# KiCad board edc-mux-board-fpga-main.kicad_pcb (continued)
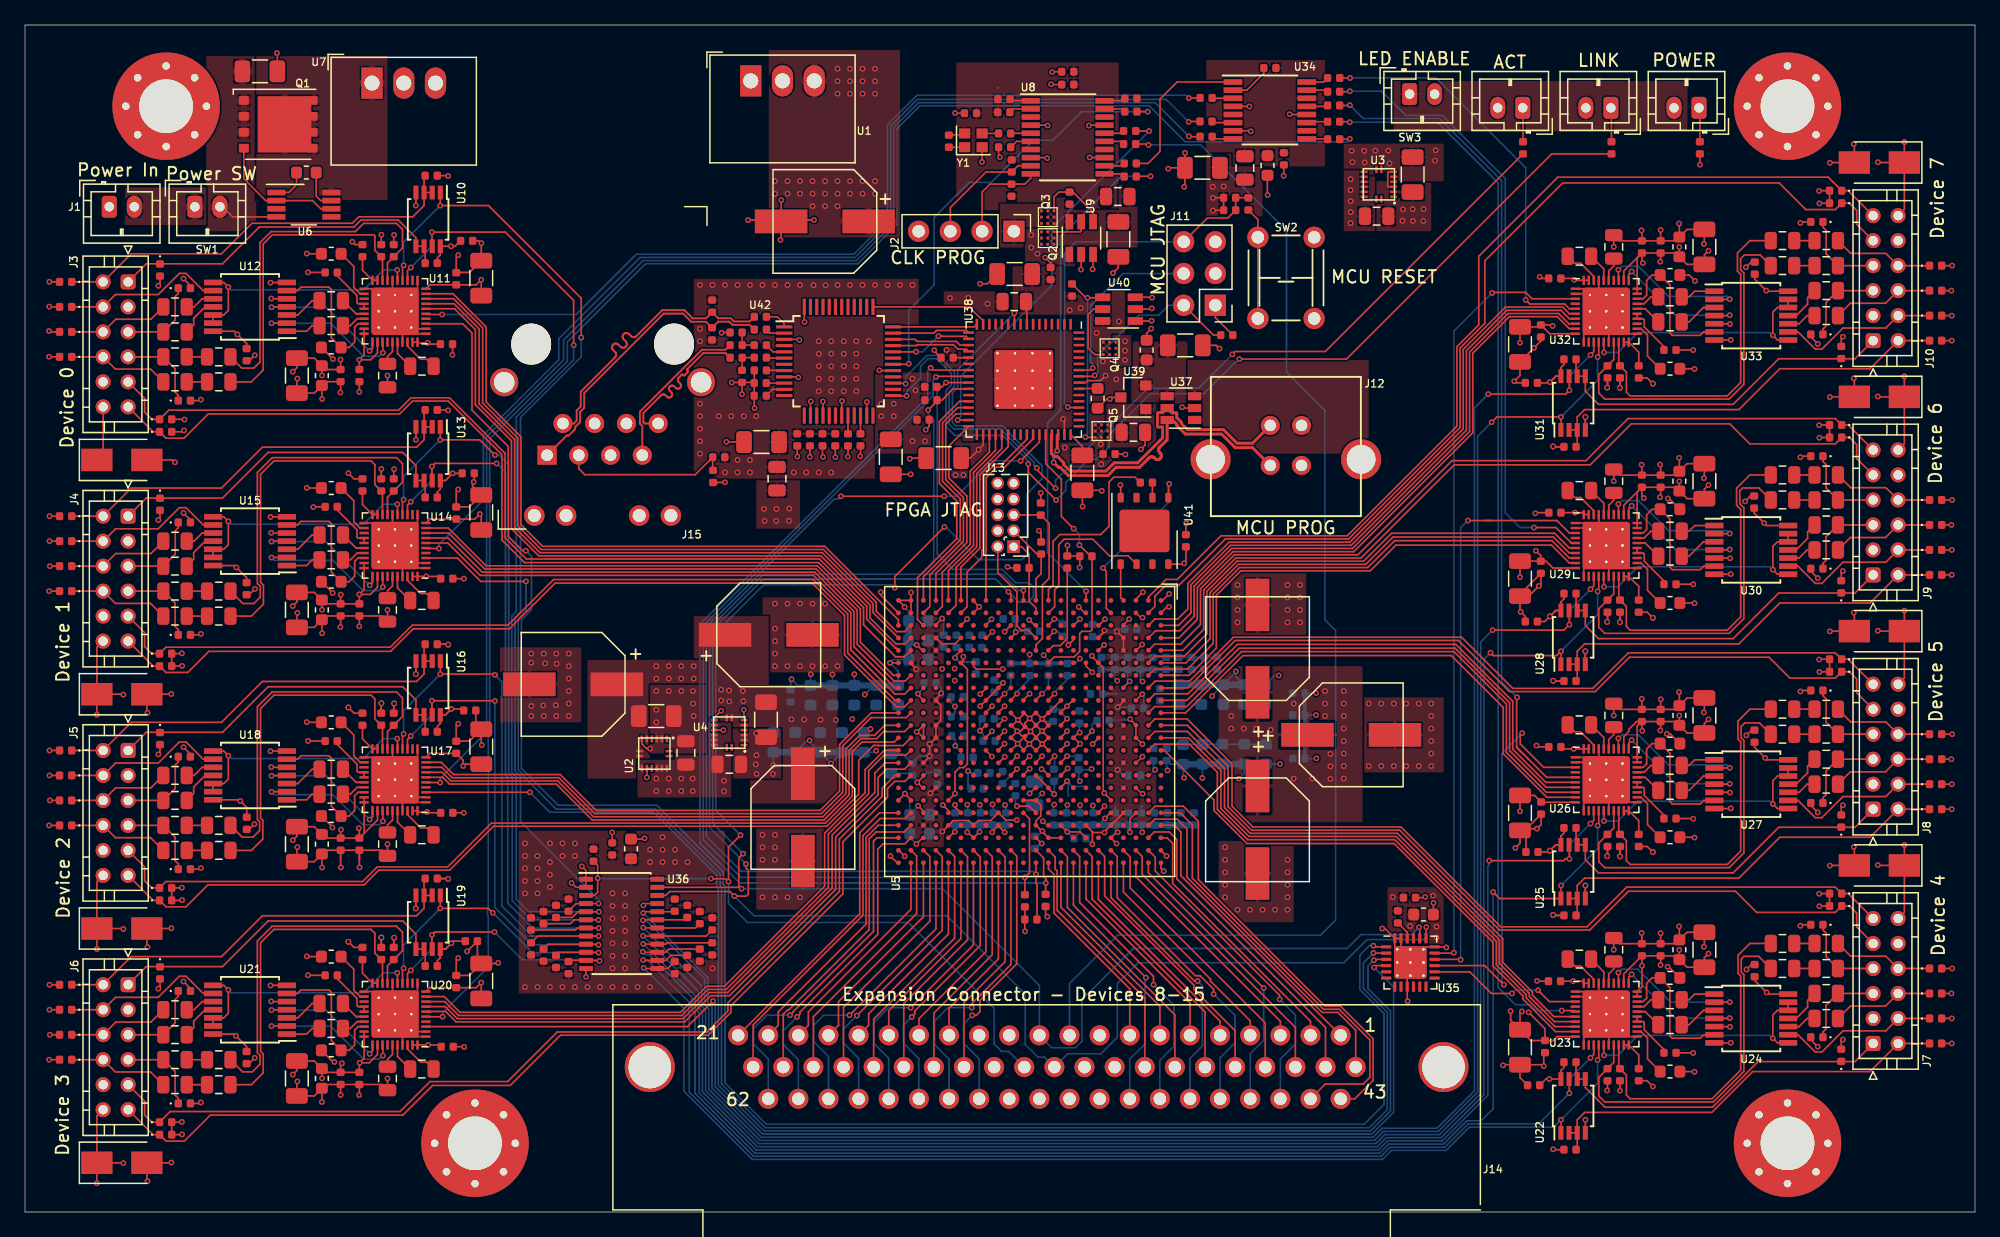
[diagram p0: board, top side]
## Routing (per net, layer and track width the routed paths; a pad name or vN(x,y) marks a point on that pad's centre or on a via; arc(x,y) is an arc through that point) (continued)
/Power Supplies/VCCDPLL: length 49.7
  Top w0.127: v1(75.07,44.44) 75.07,44.14 U5.U6 75.39,43.44 75.39,35.86 75.1,35.57 74.76,35.57 74.4,35.21 v1(74.4,33.49) 73.88,32.97 U5.V17 73.88,32.99 ; v1(85.36,44.51) 85.36,44.47 U5.F6 86.26,43.57 86.26,33.61 v1(86.35,33.52) 86.88,32.99 U5.E17
  In2.Cu w0.127: v1(85.36,44.51) 84.71,43.86 84.16,43.86 84.13,43.88 75.63,43.88 v1(75.07,44.44) ; v1(74.4,33.49) 74.86,33.95 81.2,33.95 ; v1(81.38,33.5) 81.38,33.82 81.25,33.95 81.2,33.95 ; 81.2,33.95 85.92,33.95 v1(86.35,33.52)
  Bottom w0.127: FB1.2 80.77,32.89 v1(81.38,33.5)
GND: length 853.7
  Top w0.127: U12.5 19.72,73.09 v1(19.7,73.11) ; v1(136.46,32.3) 136.45,32.29 U27.7 ; v1(144.39,27.72) 144.41,27.74 D45.2 146.35,29.17 v1(146.3,29.22) ; C251.1 132.96,59.89 C252.1 134.35,58.77 v1(134.31,58.73) ; C251.1 132.35,60.34 v1(132.33,60.36) ; C251.1 132.05,58.97 C249.1 ; U15.5 19.72,54.34 v1(19.7,54.36) ; v1(23.77,65.07) 23.75,65.09 C131.1 ; 127.6,65.97 C260.1 127.6,65.97 ; 127.6,65.97 v1(127.59,65.96) 127.6,65.97 ; v1(89.41,33.47) 89.35,33.47 U5.C16 ; U37.2 92.64,64.34 v1(92.57,64.41) ; v1(61.79,60.46) 61.78,60.47 C298.1 ; C231.1 132.96,41.14 C232.1 134.35,40.02 v1(134.31,39.98) ; C231.1 132.35,41.59 v1(132.33,41.61) ; C231.1 132.05,40.22 C229.1 ; v1(131.35,38.27) 131.61,38.27 FB32.2 ; v1(81.34,29.49) 80.88,29.95 U5.L20 ; v1(137.72,19.41) 138.12,19.81 C217.1 ; 31.28,43.06 v1(31.27,43.05) 31.28,43.06 ; 31.28,43.06 U16.4 31.28,43.06 ; v1(133.56,48.72) 133.54,48.74 C244.1 ; C200.1 127.6,9.72 v1(127.59,9.71) ; U17.11 31.4,36.39 U17.41 ; C297.1 64.82,60.42 v1(64.83,60.41) ; D62.2 v1(154.11,54.99) ; U2.11 U2.10 49.75,34.79 v1(49.74,34.78) ; U10.4 31.28,80.56 v1(31.27,80.55) ; 119.9,11.79 118.3,11.79 ; U23.41 128.3,14.04 U23.21 ; U23.41 124.95,17.39 124.81,17.24 U23.2 ; U23.41 126.7,15.64 126.7,13.36 ; U23.41 125.9,16.44 U23.37 ; U23.41 124.7,14.04 124.7,13.36 ; U23.41 124.7,17.64 U23.1 ; v1(80.45,38.46) 80.06,38.07 U5.M12 ; v1(80.45,38.46) 80.88,38.03 U5.L12 ; v1(80.45,38.46) 80.45,38.53 U5.L11 ; v1(80.45,38.46) 80.08,38.83 U5.M11 ; v1(18.38,68.57) 17.94,68.13 C137.1 ; 86.74,65.01 v1(86.79,65.06) ; v1(86.79,65.06) 86.54,65.06 C292.2 ; v1(86.79,65.06) 86.93,65.2 U39.3 ; v1(146.3,47.97) 146.35,47.92 D55.2 144.41,46.49 v1(144.39,46.47) ; v1(12.68,74.7) 13.23,74.15 D8.2 ; C198.1 126.6,9.76 v1(126.57,9.73) ; v1(63.85,60.43) 63.8,60.48 C301.1 ; v1(12.68,55.95) 13.23,55.39 D18.2 ; v1(129.33,59.81) 129.35,59.79 C255.1 ; U29.41 125.9,53.94 U29.37 ; U29.41 124.7,51.54 124.7,50.86 ; U29.41 124.7,55.14 U29.1 ; U29.41 124.95,54.89 124.81,54.74 U29.2 ; U29.41 128.3,51.54 U29.21 ; U29.41 126.7,53.14 126.7,50.86 ; U32.41 126.7,71.89 U32.16 ; U32.41 124.95,73.64 124.81,73.49 U32.2 ; U32.41 128.3,70.29 U32.21 ; U32.41 125.9,72.69 125.9,74.56 ; U32.41 124.7,70.29 U32.11 ; U32.41 124.7,73.89 U32.1 ; 60.49,79.4 57.86,79.4 v1(57.84,79.38) ; 60.49,79.4 v1(63.12,79.4) ; 60.49,79.4 60.49,77.85 v1(60.44,77.8) ; 60.49,79.4 60.49,80.98 v1(60.5,80.99) ; FB7.2 24.64,68.26 v1(24.64,68.26) ; C223.1 133.45,31.49 v1(133.46,31.48) ; v1(79.43,39.38) 79,38.95 U5.N11 78.91,38.95 v1(79.38,38.48) ; v1(79.43,39.38) 78.88,39.94 U5.N10 ; v1(79.43,39.38) 79.88,39.83 U5.M10 79.92,39.95 v1(80.37,39.5) ; v1(79.43,39.38) 79.98,38.83 U5.M11 ; 75.16,87.94 74.42,87.94 v1(74.41,87.95) ; U5.L11 80.88,39 v1(80.37,39.5) ; U5.L11 80.88,38.95 v1(81.38,39.46) ; U5.L11 81.34,38.49 v1(81.36,38.49) ; C275.1 C269.1 ; C275.1 129.35,78.53 v1(129.32,78.56) ; C275.1 127.55,77.72 C266.1 v1(127.1,77.24) ; 124.82,63.62 v1(124.83,63.63) 124.82,63.62 ; 124.82,63.62 U31.4 124.82,63.62 ; U5.Y15 71.88,34.88 v1(71.38,34.38) 71.81,33.95 U5.Y16 ; v1(136.4,52.32) 136.38,52.34 U30.5 ; v1(79.38,38.48) 78.88,37.97 U5.N12 78.94,37.95 v1(79.41,37.48) ; v1(79.38,38.48) 79.79,38.07 U5.M12 ; v1(79.38,38.48) 79.65,38.48 U5.M11 ; FB42.2 133.13,74.99 v1(133.6,74.52) ; C237.1 138.12,38.56 v1(137.71,38.15) ; C195.1 28.55,10.2 C186.1 v1(29,10.69) ; C195.1 C189.1 ; C195.1 26.75,9.38 v1(26.73,9.36) ; v1(132.33,22.86) 132.35,22.84 C211.1 ; 25.25,28.3 C169.1 ; 25.25,28.3 25.25,27.6 v1(25.27,27.58) ; 25.25,28.3 C169.1 ; 26.02,40.23 v1(25.87,40.38) 26.33,39.92 C162.1 ; 26.75,28.17 C175.1 ; 26.75,28.17 C175.1 ; 26.75,28.17 26.75,27.59 v1(26.76,27.58) ; v1(58.37,64.33) 58.34,64.37 58.34,66.34 ; D48.2 142.87,13.78 v1(143.42,13.23) ; U5.J19 82.88,30.92 v1(83.38,30.42) 84.41,30.42 U5.G20 ; v1(79.41,37.48) 78.88,36.95 U5.N13 ; v1(79.41,37.48) 80,38.06 U5.M12 ; v1(79.41,37.48) 79.88,37.02 U5.M13 79.88,36.98 v1(80.35,37.46) ; U5.C5 88.9,44.95 v1(89.37,45.42) ; U5.R13 76.88,36.92 v1(77.35,36.45) ; D61.2 v1(154.14,52.99) ; v1(136.4,14.82) 136.38,14.84 U24.5 ; R78.1 v1(57.36,65.45) ; R78.1 56.54,66.4 v1(56.54,66.39) ; R78.1 58.28,66.4 58.34,66.34 ; 126.6,28.51 v1(126.57,28.48) 126.6,28.51 ; 126.6,28.51 C218.1 126.6,28.51 ; U5.M11 80,39.12 v1(80.37,39.5) ; U14.16 29.4,53.54 U14.41 ; v1(56.11,61.64) 56.13,61.62 C303.1 ; v1(21.79,66.7) 21.75,66.66 C132.1 23.14,65.54 C131.1 ; U5.J9 U5.K10 81.87,39.95 v1(81.38,39.46) ; v1(75.37,47.46) 75.37,47.44 U5.U3 ; D40.2 10.8,18.01 v1(10.67,17.88) ; U8.4 81.78,86.98 v1(81.81,86.96) ; C189.1 24.05,10.2 C191.1 ; C189.1 v1(25.25,9.37) ; C215.1 129.35,22.31 v1(129.33,22.33) ; C215.1 C209.1 ; C215.1 127.55,21.47 C206.1 v1(127.1,20.99) ; U5.W3 72.88,47 v1(73.37,47.5) ; v1(88.39,30.4) 88.39,31.47 U5.C18 ; v1(136.46,69.8) 136.45,69.79 U33.7 ; U5.L12 80.88,38 v1(81.36,38.49) ; U5.L12 80.84,37.95 v1(80.35,37.46) ; U5.L12 80.89,37.95 v1(81.38,37.46) ; U11.41 31.15,70.54 31.29,70.69 32.08,70.69 ; U11.41 29.4,72.29 29.4,74.56 ; U11.41 31.4,73.89 31.4,74.56 ; U11.41 31.4,70.29 32.08,70.29 ; U11.41 27.8,73.89 U11.21 ; U11.41 30.2,71.49 U11.37 ; C155.1 28.55,47.7 C146.1 v1(29,48.19) ; C155.1 26.75,46.88 v1(26.74,46.87) ; C155.1 C149.1 ; v1(19.64,74.38) 19.65,74.39 U12.7 ; C288.1 95.3,69.36 v1(95.56,69.1) ; U2.6 49.35,37.46 49.72,37.09 v1(50,37.09) ; 32.08,51.54 31.4,51.54 U14.41 ; v1(88.33,47.45) 87.88,47 U5.D3 ; v1(143.53,81.72) 143.55,81.74 D76.2 D79.2 143.57,80.74 v1(143.55,80.72) ; D22.2 v1(1.99,32.94) ; C216.1 120.99,18.47 v1(120.96,18.5) ; U26.1 124.7,36.39 U26.41 ; FB12.2 23.72,50.44 v1(24.61,49.55) ; v1(79.35,35.46) 78.88,34.98 U5.N15 ; v1(19.64,36.88) 19.65,36.89 U18.7 ; v1(67.35,64.83) 67.34,64.82 U42.23 ; v1(81.38,39.46) 81.88,38.97 U5.K11 81.41,38.49 v1(81.36,38.49) ; v1(81.38,39.46) 80.89,39.95 U5.L10 80.82,39.95 v1(80.37,39.5) ; v1(22.64,18.95) 22.65,18.94 C183.1 ; v1(56,58.4) 55.99,58.39 55.1,58.39 ; U5.H3 83.89,46.95 v1(84.39,47.45) ; U5.F3 85.9,46.95 v1(86.4,47.45) ; U5.AB17 70.39,33.47 v1(70.39,33.49) 70.88,33 U5.AA17 ; 36.06,40.14 36.06,39.08 C174.2 ; C213.1 121.5,12.66 v1(121.5,11.68) 121.39,11.79 C214.2 119.6,10.75 C199.2 ; 127.6,47.22 v1(127.59,47.21) 127.6,47.22 ; 127.6,47.22 C240.1 127.6,47.22 ; U9.3 85.44,75.48 v1(85.41,75.45) ; U5.K13 81.88,36.97 v1(81.38,37.46) ; v1(55.73,70.37) 55.75,70.39 R80.1 ; 124.82,44.88 U28.4 124.82,44.88 ; 124.82,44.88 v1(124.83,44.88) 124.82,44.88 ; v1(120.92,37.33) 121.03,37.22 C236.1 ; C124.1 22.56,76.69 v1(22.54,76.71) ; C202.1 129.78,10.5 v1(130.23,10.05) ; C285.1 76.99,74.29 v1(76.41,74.29) ; v1(24.75,12.01) 24.64,12.01 FB22.2 ; U5.AB6 v1(69.2,43.95) ; v1(12.55,7.21) 12.53,7.19 D39.2 D36.2 12.55,6.19 v1(12.57,6.21) ; v1(1.95,74.45) 1.96,74.44 D4.2 ; 35.94,59.12 35.94,58.47 v1(35.9,58.43) 35.8,58.33 35.8,58.09 C154.2 35.55,56.44 34.5,56.44 34.5,57.67 v1(34.66,57.83) ; v1(82.09,90.26) 82.12,90.23 82.94,90.23 ; D44.2 v1(154.14,13.49) ; v1(81.61,76.39) 82.05,75.95 C286.1 ; U35.25 110.58,19.72 U35.9 110.58,16.9 v1(110.61,16.87) ; U35.25 112.08,21.22 U35.18 113.65,21.22 ; U35.25 110.08,20.72 U35.23 U35.24 ; U35.25 109.58,21.22 U35.24 ; D68.2 142.87,51.28 v1(143.42,50.73) ; U17.41 31.4,32.79 32.08,32.79 ; U17.41 30.2,33.99 U17.37 ; U17.41 29.4,34.79 U17.16 ; U17.41 31.15,33.04 31.29,33.19 32.08,33.19 ; U17.41 27.8,36.39 U17.21 ; C291.2 88,60.66 v1(88.03,60.63) ; Y1.2 76.57,84.05 v1(76.56,84.04) ; D53.2 v1(154.17,38.24) ; v1(133.56,29.97) 133.54,29.99 C224.1 ; U5.M12 80,37.81 v1(80.35,37.46) ; v1(92.9,55.12) 92.87,55.09 C296.1 ; v1(120.83,55.92) 120.88,55.97 C256.1 ; v1(19.7,35.61) 19.72,35.59 U18.5 ; v1(21.79,29.2) 21.75,29.16 C172.1 23.14,28.04 C171.1 ; C295.1 89.61,61.38 v1(89.27,61.04) ; 32.08,14.04 31.4,14.04 U20.41 ; C131.1 24.05,66.45 C129.1 25.25,65.61 v1(25.23,65.59) ; U36.12 v1(44.88,18.82) ; v1(25.87,59.13) 26.33,58.67 C142.1 ; 126.6,47.26 C238.1 126.6,47.26 ; 126.6,47.26 v1(126.57,47.23) 126.6,47.26 ; U42.29 68.36,67.34 v1(68.34,67.36) ; D30.2 10.8,36.76 v1(10.67,36.63) ; v1(14.07,65.02) 13.99,64.94 D7.2 ; v1(89.43,49.61) 88.88,49.06 U5.C1 ; D14.2 v1(1.96,55.69) ; C278.2 92.79,82.1 v1(92.74,82.05) ; C278.2 91.53,83.57 v1(91.46,83.5) ; C278.2 92.79,84.75 v1(92.8,84.76) ; U5.L15 U5.K16 81.88,33.91 v1(82.34,33.44) ; v1(145.43,13.8) 145.3,13.67 D50.2 ; v1(82.35,47.46) 81.88,46.98 U5.K3 ; U20.41 31.4,17.64 U20.11 ; U20.41 29.4,16.04 U20.16 ; U20.41 30.2,15.24 30.2,13.36 ; U20.41 31.15,14.29 31.29,14.44 32.08,14.44 ; U20.41 27.8,17.64 U20.21 ; 29.5,40.67 v1(29.53,40.7) 29.5,40.67 ; 29.5,40.67 C158.1 29.5,40.67 ; U26.41 126.7,34.39 U26.16 ; U26.41 124.7,32.79 U26.11 ; U26.41 128.3,32.79 U26.21 ; U26.41 125.9,35.19 U26.37 ; U26.41 124.95,36.14 124.81,35.99 U26.2 ; v1(112.02,25.22) 111.96,25.16 C282.1 ; v1(10.67,74.13) 10.8,74.26 D10.2 ; U35.24 108.8,22.69 v1(108.58,22.69) ; v1(133.56,67.47) 133.54,67.49 C264.1 ; v1(145.43,51.3) 145.3,51.17 D70.2 ; D73.2 v1(154.17,75.74) ; C169.1 C175.1 ; C169.1 24.05,28.95 C171.1 ; v1(34.66,39.08) 34.5,38.92 34.5,37.69 35.55,37.69 C174.2 ; v1(90.1,70.7) 89.73,70.33 C287.1 ; v1(142.03,60.41) 142.11,60.49 D67.2 ; v1(124.83,7.38) 124.82,7.38 U22.4 ; C234.2 119.99,30.54 C233.1 121.29,31.01 v1(120.96,30.68) 119.74,30.68 C234.2 ; C234.2 120.07,30.06 C219.2 ; C234.2 119.6,29.51 v1(119.23,29.14) ; v1(9.8,39.96) 9.75,40.01 D15.2 11.69,41.44 v1(11.71,41.46) ; v1(66.82,60.48) 66.84,60.5 66.84,61.33 ; C222.1 129.78,29.25 v1(130.23,28.8) 130.08,28.95 ; v1(18.35,31.04) 17.94,30.62 C177.1 ; 32.08,51.94 31.29,51.94 31.15,51.79 U14.41 ; v1(71.45,32.51) 71.88,32.08 U5.Y18 ; C171.1 23.75,27.59 v1(23.77,27.57) ; v1(83.41,35.5) 82.88,34.97 U5.J15 ; C120.1 28.5,78.21 v1(28.51,78.22) ; 28.5,40.71 C160.1 28.5,40.71 ; 28.5,40.71 v1(28.51,40.72) 28.5,40.71 ; D38.2 13.23,17.89 v1(12.68,18.45) ; v1(145.43,32.55) 145.3,32.42 D60.2 ; v1(73.43,32.57) 73.88,32.12 U5.V18 ; U5.C9 89.37,41.44 v1(89.38,41.44) ; v1(65.82,60.45) 65.84,60.47 65.84,61.33 ; C211.1 132.96,22.39 C212.1 134.35,21.27 v1(134.31,21.23) ; C211.1 132.05,21.47 C209.1 ; D13.2 v1(1.93,49.69) ; v1(80.34,47.39) 80.78,46.95 U5.L3 ; C126.1 v1(29,66.94) ; v1(89.39,37.45) 88.89,37.95 U5.C12 U5.C11 88.88,38.97 v1(88.41,39.44) ; 130.08,47.7 v1(130.23,47.55) 129.78,48 C242.1 ; v1(36.54,37.37) 36.5,37.41 C174.2 ; v1(142.03,22.91) 142.11,22.99 D47.2 ; v1(63.83,64.87) 63.84,64.86 U42.16 ; v1(62.36,71.23) 62.34,71.25 U42.48 ; v1(85.17,84.4) 85.19,84.38 U8.13 ; v1(72.06,62.61) 72.33,62.88 C306.1 ; v1(142.03,79.16) 142.11,79.24 D77.2 ; D37.2 13.99,8.69 v1(14.07,8.77) ; v1(91.53,49.47) 91.01,48.95 U5.A1 ; v1(75.38,30.39) 75.44,30.39 U5.T20 76.35,30.43 v1(76.36,30.43) ; C197.1 17.92,11.88 v1(18.38,12.34) ; U41.4 87.66,58.17 ; U5.F12 85.88,37.92 v1(85.41,37.45) ; U5.T2 76.34,48.42 v1(76.34,48.43) 75.88,48.89 U5.T1 ; v1(137.6,56.87) 138.03,57.31 C257.1 ; v1(34.66,20.33) 34.5,20.17 34.5,18.93 35.54,18.93 C194.2 36.19,20.19 C179.2 36.19,21.68 v1(35.37,20.86) ; 34.22,50.69 v1(35.11,50.69) ; C136.1 34.21,68.62 v1(34.19,68.6) ; v1(146.3,66.72) 146.35,66.67 D65.2 144.41,65.24 v1(144.39,65.22) ; C151.1 23.75,46.34 v1(23.77,46.32) ; C151.1 23.14,46.79 C152.1 21.75,47.91 v1(21.79,47.95) ; C151.1 24.05,47.7 C149.1 ; v1(62.87,64.88) 62.84,64.85 U42.14 ; U42.19 65.34,64.89 v1(65.36,64.91) ; v1(133.46,68.98) 133.45,68.99 C263.1 ; R67.1 78.68,51.55 v1(78.6,51.63) ; C135.1 26.75,65.65 v1(26.74,65.64) ; U30.7 136.45,51.04 v1(136.46,51.05) ; U14.11 31.4,55.14 U14.41 ; 58.34,66.34 58.34,66.35 C299.1 ; 29.5,21.92 C178.1 29.5,21.92 ; 29.5,21.92 v1(29.53,21.95) 29.5,21.92 ; U14.41 30.2,52.74 30.2,50.86 ; U14.41 27.8,55.14 U14.21 ; v1(28.51,59.47) 28.5,59.46 C140.1 ; v1(71.44,41.48) 71.44,41.39 U5.Y9 ; U5.E18 86.84,31.95 v1(86.39,31.5) ; v1(43.73,26.33) 44.07,25.98 U36.2 U36.1 44.88,27.33 v1(44.55,27.66) ; C254.2 120.3,49.29 v1(121.11,50.1) 121.27,50.26 C253.1 119.6,49.44 C254.2 ; C254.2 119.6,48.09 v1(119.65,48.04) 120.03,47.67 C239.2 ; C209.1 v1(130.85,22.31) ; v1(101.17,87.86) 101.19,87.84 102.54,87.84 ; U27.5 136.38,33.59 v1(136.4,33.57) ; C204.1 133.54,11.24 v1(133.56,11.22) ; v1(145.43,70.05) 145.3,69.92 D80.2 ; 124.82,26.12 v1(124.83,26.13) 124.82,26.12 ; 124.82,26.12 U25.4 124.82,26.12 ; D52.2 v1(154.11,36.24) ; D43.2 v1(154.17,19.49) ; D27.2 13.99,27.44 v1(14.07,27.52) ; v1(61.95,69.8) 61.91,69.84 U42.3 ; 31.28,24.31 U19.4 31.28,24.31 ; 31.28,24.31 v1(31.27,24.3) 31.28,24.31 ; 121.9,74.72 121.3,74.72 v1(121.17,74.85) ; C255.1 127.55,58.97 C246.1 v1(127.1,58.49) ; C255.1 C249.1 ; U4.11 v1(55.87,38.57) ; v1(143.42,31.98) 142.87,32.53 D58.2 ; FB37.2 131.53,57.1 v1(131.43,57.1) ; C203.1 133.45,12.74 v1(133.46,12.73) ; v1(129.34,41.07) 129.35,41.06 C235.1 ; v1(89.39,36.44) 88.9,35.95 U5.C14 ; v1(88.37,42.47) 87.88,41.97 U5.D8 ; v1(80.35,37.46) 80.86,36.95 U5.L13 80.88,36.95 v1(81.38,37.46) ; C235.1 127.55,40.22 C226.1 v1(127.1,39.74) ; C235.1 C229.1 ; v1(81.38,37.46) 81.87,37.95 U5.K12 81.88,37.97 v1(81.36,38.49) ; v1(70.37,48.41) 70.37,48.45 U5.AB1 U5.AA1 ; C262.1 129.78,66.75 v1(130.23,66.3) 130.08,66.45 ; 22.65,75.19 v1(22.64,75.2) 24,75.2 C123.1 ; C175.1 28.55,28.95 C166.1 v1(29,29.44) ; v1(146.3,85.47) 146.35,85.42 D75.2 144.41,83.99 v1(144.39,83.97) ; v1(136.4,71.07) 136.38,71.09 U33.5 ; 36.2,19.89 37.8,19.89 ; U15.7 19.65,55.64 v1(19.64,55.63) ; v1(143.53,62.97) 143.55,62.99 D66.2 D69.2 143.57,61.99 v1(143.55,61.97) ; v1(57.5,40.19) 57.51,40.17 U4.6 ; C269.1 v1(130.85,78.59) ; C269.1 132.05,77.72 C271.1 ; v1(26.19,77.65) 26.42,77.42 C122.1 ; U38.47 83.15,63.36 v1(83.05,63.46) ; v1(12.76,63.42) 12.74,63.44 D9.2 ; 99.39,82.67 99.39,81.41 v1(99.41,81.39) ; 34.22,31.95 v1(35.1,31.95) ; C305.1 v1(70.85,59.04) ; v1(143.55,43.22) 143.57,43.24 D59.2 D56.2 143.55,44.24 v1(143.53,44.22) ; 126.6,66.01 C258.1 126.6,66.01 ; 126.6,66.01 v1(126.57,65.98) 126.6,66.01 ; 127.6,28.47 v1(127.59,28.46) 127.6,28.47 ; 127.6,28.47 C220.1 127.6,28.47 ; v1(1.92,68.45) 1.93,68.44 D3.2 ; 28.5,21.96 C180.1 28.5,21.96 ; 28.5,21.96 v1(28.51,21.97) 28.5,21.96 ; v1(35.13,13.21) 35.11,13.23 34.26,13.23 ; C249.1 130.85,59.78 v1(130.81,59.82) ; C143.1 23.09,56.44 v1(23.07,56.42) ; U5.A22 90.88,27.5 v1(91.1,27.28) ; D41.2 v1(154.14,15.49) ; D24.2 v1(1.96,36.94) ; v1(84.47,75.43) 84.5,75.45 U9.2 ; C191.1 23.14,9.29 C192.1 21.75,10.41 v1(21.79,10.45) ; C191.1 v1(23.75,8.81) ; C280.2 100.71,82.95 v1(100.69,82.93) ; v1(77.32,47.44) 76.88,47 U5.R3 ; FB27.2 131.5,19.63 v1(131.41,19.63) ; C149.1 25.25,46.84 v1(25.23,46.82) ; U42.9 61.83,66.84 v1(61.87,66.8) ; v1(132.33,79.11) 132.35,79.09 C271.1 ; v1(143.42,69.48) 142.87,70.03 D78.2 ; U21.5 19.72,16.84 v1(19.7,16.86) ; U3.6 109.08,83.25 109.02,83.19 109.02,82.11 109.08,82.05 U3.3 ; D64.2 v1(154.14,50.99) ; v1(90.14,72.32) 90.08,72.26 U40.2 ; v1(78.38,30.39) 77.88,30.89 U5.P19 77.38,30.45 v1(77.38,30.39) ; R85.2 v1(133.99,83.82) ; C229.1 130.85,41.02 v1(130.86,41.03) ; D2.2 1.99,70.44 v1(1.92,70.51) ; U5.AB22 69.77,27.95 v1(69.24,28.48) ; C163.1 22.65,37.69 v1(22.64,37.7) ; D74.2 v1(154.14,69.74) ; D51.2 v1(154.14,34.24) ; v1(85.11,86.95) 85.15,86.98 U8.17 ; D6.2 12.61,62.44 v1(12.72,62.55) ; v1(89.4,47.57) 89.25,47.57 U5.C2 ; v1(12,60) 11.81,60.19 D5.2 ; v1(34.66,76.58) 34.5,76.42 34.5,75.2 35.56,75.2 C134.2 36.5,77.53 v1(36.51,77.54) 36.32,77.73 C119.2 ; v1(22.54,57.96) 22.56,57.94 C144.1 ; C116.2 87.47,75.58 v1(87.04,75.15) ; v1(10.67,55.38) 10.8,55.51 D20.2 ; v1(1.94,72.46) 1.96,72.44 D1.2 ; v1(70.78,60.29) 70.83,60.34 C294.2 ; C281.2 112.67,24.73 v1(112.68,24.74) ; v1(78.25,42.35) 77.88,41.97 U5.P8 U5.R9 76.88,40.94 v1(76.42,40.49) ; D21.2 v1(1.96,34.94) ; D71.2 v1(154.14,71.74) ; U5.U5 74.41,44.48 v1(74.41,44.36) ; v1(134.31,77.48) 134.35,77.52 C272.1 132.96,78.64 C271.1 ; v1(71.31,29.45) 71.81,29.95 U5.Y20 ; U24.7 136.45,13.54 v1(136.46,13.55) ; FB17.2 24.59,30.81 v1(24.59,30.77) ; v1(84.3,48.42) 84.77,47.95 U5.G2 ; D72.2 v1(154.11,73.74) ; U5.Y5 71.78,44.95 v1(71.34,45.39) ; v1(81.77,84.34) 81.72,84.38 U8.8 ; v1(143.55,24.47) 143.57,24.49 D49.2 D46.2 143.55,25.49 v1(143.53,25.47) ; D28.2 13.23,36.64 v1(12.68,37.2) ; C184.1 22.56,20.44 v1(22.54,20.46) ; D23.2 v1(1.93,30.94) ; D31.2 v1(1.96,16.19) ; D63.2 v1(154.17,56.99) ; D54.2 v1(154.14,32.24) ; C118.1 29.5,78.17 v1(29.53,78.2) ; C284.1 v1(46.98,30.38) ; R3.2 77.88,84.53 v1(77.99,84.42) ; v1(133.46,50.23) 133.45,50.24 C243.1 ; U40.3 90.14,73.21 v1(90.17,73.18) ; v1(55.69,40.11) 55.68,40.11 55.16,39.6 U4.9 ; v1(86.34,45.39) 86.31,45.39 U5.F5 ; v1(78.37,46.45) 78.87,46.95 U5.N3 ; v1(98.06,86.49) 98.01,86.53 U34.7 ; v1(137.67,75.61) 138.09,76.03 C277.1 ; v1(12.55,44.71) 12.53,44.69 D19.2 D16.2 12.55,43.69 v1(12.57,43.71) ; C107.2 20.19,92.71 v1(20.15,92.75) ; v1(87.32,29.49) 86.88,29.94 U5.E20 87.31,30.39 v1(87.41,30.39) ; D11.2 v1(1.96,53.69) ; v1(49.47,24.54) 49.62,24.69 U36.21 ; v1(49.56,29.91) 49.5,29.85 C283.2 ; C138.1 29.5,59.42 v1(29.53,59.45) ; v1(79.36,32.48) 80.34,32.48 U5.L18 ; C290.2 72.74,68.91 v1(72.74,68.97) ; D33.2 v1(1.93,12.19) ; v1(9.8,21.21) 9.75,21.26 D25.2 11.69,22.69 v1(11.71,22.71) ; v1(74.39,30.44) 74.37,30.44 U5.V20 ; 82.94,91.26 82.2,91.26 v1(82.17,91.23) ; v1(11.71,3.96) 11.69,3.94 D35.2 9.75,2.51 v1(9.8,2.46) ; v1(97.95,88.48) 97.94,88.48 U34.4 ; v1(12.55,25.96) 12.53,25.94 D29.2 D26.2 12.55,24.94 v1(12.57,24.96) ; v1(18.4,49.87) 17.94,49.41 C157.1 ; v1(70.88,49.58) 70.88,49.58 U5.AA1 ; v1(76.39,38.51) 76.83,38.95 U5.R11 ; C164.1 22.56,39.19 v1(22.54,39.21) ; 26.02,21.48 v1(25.87,21.63) 26.33,21.17 C182.1 ; C259.2 119.27,66.36 v1(119.14,66.49) 119.6,66.95 C274.2 v1(120.72,69.16) 121.27,69.71 C273.1 ; D34.2 v1(1.96,18.19) ; v1(84.61,56.46) 84.59,56.48 C289.2 86.1,57.76 v1(86.14,57.72) ; U5.H13 83.89,36.95 v1(84.41,37.47) 83.93,37.95 U5.H12 84.29,38.37 v1(84.37,38.37) ; D17.2 13.99,46.19 v1(14.07,46.27) ; D32.2 v1(1.99,14.19) ; D42.2 v1(154.11,17.49) ; v1(142.03,41.66) 142.11,41.74 D57.2 ; U21.7 19.65,18.14 v1(19.64,18.13) ; U5.AA1 U5.AA2 ; C302.1 v1(62.79,60.44) ; U13.4 31.28,61.81 v1(31.27,61.8) ; D12.2 v1(1.99,51.69) ; U5.Y12 71.4,38.43 v1(71.33,38.43) 71.35,38.43 U5.Y11 U5.Y12
  Bottom w0.127: C105.2 67.97,36.79 v1(68.1,36.92) ; v1(94.19,34.74) 94.19,34.75 C91.2 ; C12.2 77.78,42.35 v1(78.25,42.35) ; 76.43,31.09 76.43,30.5 v1(76.36,30.43) ; C18.2 79.35,35.42 v1(79.35,35.46) ; v1(81.38,39.46) 81.57,39.27 C7.2 ; 75.41,31.09 75.41,30.42 v1(75.38,30.39) ; 77.44,31.09 77.44,30.45 v1(77.38,30.39) ; C56.2 88.28,30.51 v1(88.39,30.4) ; C34.2 74.09,40.77 v1(74.4,40.46) 74.4,39.95 C45.2 ; v1(78.38,30.39) 78.38,31.02 78.46,31.09 ; v1(81.49,44.56) 81.88,44.18 C39.2 ; v1(62.86,43.04) 62.84,43.03 C82.2 61.81,42.15 v1(61.32,42.64) 61.25,42.58 C77.2 ; v1(71.44,41.48) 71.91,41.95 C17.2 ; C86.2 69.46,44.21 v1(69.2,43.95) 69.84,43.31 C85.2 ; v1(103.29,41.54) 103.28,41.53 C73.2 ; C98.2 65.37,36.78 v1(64.48,35.89) 64.48,35.93 C103.2 62.77,37.64 v1(62.77,37.74) 62.56,37.74 C99.2 ; 99.25,35.83 C83.2 100.39,35.86 v1(100.4,35.87) ; v1(82.35,47.46) 82.59,47.46 C44.2 ; C46.2 87.22,30.58 v1(87.41,30.39) ; C93.2 67.91,42.15 v1(67.18,41.42) ; v1(80.37,44.62) 80.37,44.61 C53.2 ; C80.2 66.34,43.03 v1(66.35,43.04) ; v1(74.41,44.36) 74.75,44.02 75.64,44.02 75.66,44.03 C57.2 ; C104.2 96.87,42.86 v1(96.87,43.26) 96.87,43.22 C102.2 94.97,41.31 v1(94.97,41.29) ; C62.2 103.28,39.78 v1(103.29,39.77) ; C84.2 70.78,29.98 v1(71.31,29.45) ; v1(103.31,36.31) 103.28,36.28 C63.2 ; v1(84.38,44.29) 84,43.91 C37.2 ; v1(82.34,33.44) 82.34,34.43 C8.2 82.38,34.47 v1(83.41,35.5) ; v1(86.39,31.5) 85.87,30.97 C54.2 ; C48.2 74.88,36.85 v1(74.42,37.31) 74.42,37.81 74.12,38.11 ; C32.2 89.95,34.94 v1(90.41,35.4) 90.28,35.53 C50.2 ; 86.5,41.47 87.32,41.47 87.35,41.44 ; C74.2 73.5,47.37 v1(73.37,47.5) ; v1(79.36,32.48) 79.24,32.61 C21.2 ; v1(85.33,35.46) 85.26,35.39 C24.2 84.29,34.56 v1(84.38,34.48) ; 87.15,43.42 87.15,42.75 v1(87.38,42.52) ; C36.2 C31.2 ; v1(91.4,35.34) 91.33,35.41 C71.2 91.63,35.83 C87.2 92.65,34.83 v1(92.73,34.75) ; C75.2 92.04,41.89 C106.2 ; v1(81.43,31.27) 81.73,30.97 C28.2 ; v1(89.38,30.39) 89.32,30.45 C40.2 ; 88.19,43.42 88.19,42.64 v1(88.37,42.47) ; v1(88.41,39.44) 88.35,39.38 86.78,39.38 86.72,39.32 ; C90.2 70.69,48.09 v1(70.37,48.41) ; v1(71.45,32.51) 71.45,32.46 C92.2 70.78,33.1 v1(70.39,33.49) ; v1(89.38,41.44) 89.5,41.31 89.5,40.32 ; C89.2 97.53,35.11 v1(97.11,34.68) ; 74.39,31.09 v1(74.39,30.44) ; C38.2 72.18,35.17 v1(71.38,34.38) 71.38,34.52 70.79,35.1 C47.2 ; C100.2 99.96,42.94 v1(100.3,42.94) ; v1(84.37,38.37) 84.35,38.39 C15.2 ; C19.2 84.4,30.39 C23.2 83.89,29.91 v1(83.38,30.42) 83.32,30.48 C10.2 ; 92.29,43.42 C49.2 ; v1(59.86,35.74) 59.87,35.75 C97.2 ; 89.22,43.42 89.22,42.64 v1(89.4,42.46) ; C30.2 75.58,35.15 v1(75.44,35.29) 75.44,33.92 75.4,33.88 ; C27.2 76.39,39.3 v1(76.39,38.51) 76.65,38.25 C9.2 ; v1(71.34,45.39) 71.07,45.39 C88.2 ; C41.2 81.19,29.49 v1(81.34,29.49) ; v1(64.6,43.02) 64.59,43.02 C96.2 ; 73.79,41.21 73.82,41.21
  Bottom w0.3: C73.2 C63.2 ; C37.2 C42.2 ; 87.15,43.42 92.29,43.42
  Bottom w0.5: C87.2 99.25,35.83 ; C105.2 C97.2 ; C86.2 C90.2 ; C79.2 C64.2 ; C70.2 82.31,30.97 82.31,30.98 ; C106.2 C100.2 ; C82.2 C85.2
  vias: v1(37.85,19.94) v1(40.5,44.69) v1(40.5,43.96) v1(40.51,40.5) v1(40.5,39.69) v1(41.5,44.69) v1(41.46,40.54) v1(41.5,39.69) v1(41.61,43.91) v1(42.5,44.69) v1(42.53,43.88) v1(42.46,40.56) v1(42.5,39.69) v1(43.5,44.69) v1(43.5,43.69) v1(43.5,42.69) v1(43.5,41.69) v1(43.5,40.69) v1(43.5,39.69) v1(50.5,41.69) v1(50.5,40.19) v1(50.5,39.19) v1(51.5,41.69) v1(52.5,41.69) v1(53.43,41.7) v1(53.45,40.69) v1(53.49,39.69) v1(58.51,38.31) v1(58.52,36.56) v1(58.46,35.82) v1(58.52,35.07) v1(59,30.19) v1(59,29.19) v1(59,28.19) v1(59,25.19) v1(59.83,35.06) v1(60,48.69) v1(60,46.69) v1(60,45.69) v1(60,44.69) v1(60,43.69) v1(60,30.19) v1(60,29.19) v1(60,28.19) v1(60,25.19) v1(61,48.69) v1(61,43.69) v1(61,25.19) v1(62,48.69) v1(62,43.69) v1(62,25.19) v1(63,48.69) v1(63,43.69) v1(64,48.69) v1(64,43.69) v1(65,43.69) v1(87.64,58.18) v1(96,29.19) v1(96,28.19) v1(96,27.19) v1(96,26.19) v1(96,25.19) v1(97,50.19) v1(97,49.19) v1(97,48.19) v1(97,47.19) v1(97,24.19) v1(98,24.19) v1(99,24.19) v1(100,24.19) v1(101,50.19) v1(101,49.19) v1(101,48.19) v1(101,47.19) v1(101,28.19) v1(101,27.19) v1(101,26.19) v1(101,25.19) v1(101,24.19) v1(102,50.19) v1(102,49.19) v1(102,48.19) v1(102,47.19) v1(107.5,40.69) v1(107.5,35.69) v1(108.5,40.69) v1(108.5,35.69) v1(109.5,40.69) v1(109.5,35.69) v1(110.23,80.25) v1(110.2,79.33) v1(110.5,40.69) v1(110.5,35.69) v1(111.01,80.26) v1(111.03,79.32) v1(111.5,40.69) v1(111.5,35.69) v1(111.89,80.26) v1(111.87,79.31) v1(112.5,40.69) v1(112.5,39.69) v1(112.5,38.69) v1(112.5,37.69) v1(112.5,36.69) v1(112.5,35.69) v1(113.71,21.17) v1(118.25,11.74)
/ATTACH_INT: length 15.2
  Top w0.127: U38.42 80.65,61.88 78.39,59.62 77.74,59.62 76.9,58.78 76.9,52.91 76.88,52.89 U5.R1
/Bottom Side Connector Interconnects/BCLK8: length 16
  Top w0.127: J14.15 71.51,15.47 76.88,20.83 U5.R22
/Bottom Side Connector Interconnects/BCLK9: length 16.8
  Top w0.127: J14.17 67.49,14.94 67.49,15.87 73.88,22.25 U5.V22
/Bottom Side Connector Interconnects/BCLK10: length 17.5
  Top w0.127: J14.19 62.67,14.94 62.67,16.02 70.88,24.22 U5.AA22
/Bottom Side Connector Interconnects/BCLK11: length 24
  Top w0.127: J14.21 66.78,23.87 66.78,30.37 68.36,31.95 U5.AB18
/Bottom Side Connector Interconnects/BCLK12: length 21.1
  Top w0.127: U5.A20 91.36,29.95 91.81,29.5 91.81,26.3 102.84,15.27 J14.2
/Bottom Side Connector Interconnects/BCLK13: length 18
  Top w0.127: J14.4 98.02,15.3 94.84,18.48 94.84,18.64 87.88,25.6 U5.D22
/Bottom Side Connector Interconnects/BCLK14: length 17.3
  Top w0.127: J14.6 93.2,16.73 84.88,25.06 U5.G22
/Bottom Side Connector Interconnects/BCLK15: length 16.5
  Top w0.127: U5.K22 81.88,27.47 82.32,27.02 82.32,23.92 88.38,17.86 J14.8
/Bottom Side Connector Interconnects/DIN8: length 15.4
  Top w0.127: J14.14 73.92,16.3 77.88,20.25 U5.P22
/Bottom Side Connector Interconnects/DIN9: length 16.2
  Top w0.127: J14.16 69.1,16.11 74.88,21.89 U5.U22
/Bottom Side Connector Interconnects/DIN10: length 17
  Top w0.127: U5.Y22 71.88,23.64 65.08,16.84 65.08,14.94 J14.18
/Bottom Side Connector Interconnects/DIN11: length 22.3
  Top w0.127: 69.13,30.95 68.26,30.95 67.29,29.98 67.29,23.05 60.26,16.02 60.26,14.94 J14.20 ; 69.13,30.95 69.33,30.95 ; 69.13,30.95 U5.AB19
/Bottom Side Connector Interconnects/DIN12: length 23.4
  Top w0.127: U5.A19 91.94,30.95 92.47,30.42 92.47,26.92 J14.1
/Bottom Side Connector Interconnects/DIN13: length 18.6